# Allegro board rt1064_brkout_new_mem_layout.brd (continued)
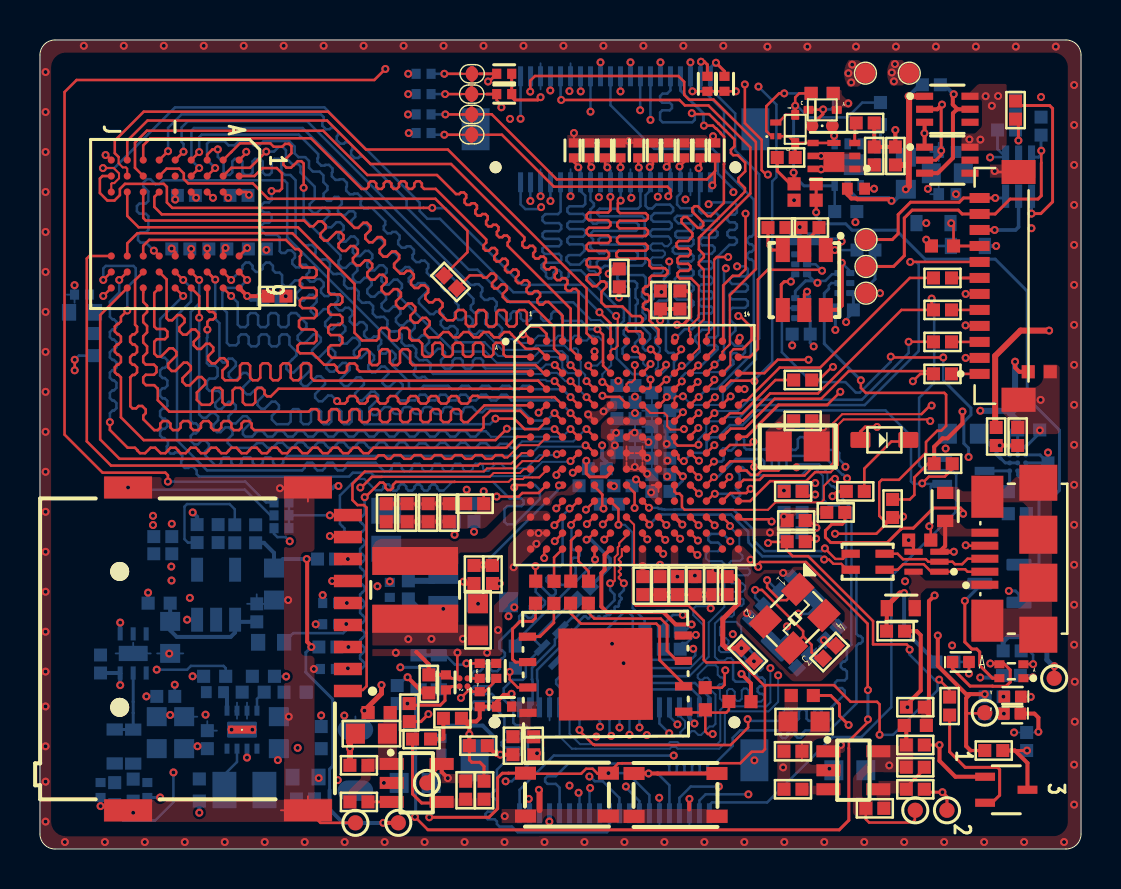
[diagram p0: board, top side]
## Routing (per net, layer and track width the routed paths; a pad name or vN(x,y) marks a point on that pad's centre or on a via; arc(x,y) is an arc through that point) (continued)
GPIO_B0_05: length 21.5
  TOP w0.127: v1(29.78,25.01) 30.15,24.63 U7.B8 ; v1(27.59,34.11) 27.48,34.22 R61.2
  BOTTOM w0.127: v1(27.59,34.11) 27.55,34.07 J5.25 27.55,32.46 27.72,32.29 27.72,32.16 27.55,32 27.55,32 27.55,31.42 27.68,31.29 27.86,31.29 27.92,31.34 29.84,31.34 29.95,31.23 29.95,31.05 29.83,30.93 27.7,30.93 27.57,30.8 27.57,30.62 27.68,30.51 27.68,30.38 27.54,30.25 27.54,30.09 27.71,29.92 27.87,29.92 27.87,29.92 27.99,29.8 28.22,29.8 28.35,29.92 29.79,29.92 29.92,29.8 29.92,29.62 29.79,29.49 27.99,29.49 27.86,29.36 27.86,29.18 27.98,29.07 28.14,29.07 28.24,29.17 28.29,29.17 28.3,29.17 28.62,29.17 28.63,29.17 28.89,29.17 29.01,29.04 29.01,28.78 28.9,28.67 28.9,28.52 29,28.41 29.75,28.41 29.88,28.28 29.88,28.08 29.8,28 29.8,27.57 29.91,27.47 29.91,27.3 29.82,27.21 29.82,25.89 30,25.7 30,25.54 29.78,25.32 v1(29.78,25.01)
GPIO_B0_06: length 21.8
  TOP w0.127: v1(28.39,34.1) 28.28,34.21 R62.2 ; U7.A8 30.15,25.79 30.04,25.9 29.44,25.9 29.33,26.01 29.33,26.17 29.44,26.28 30.04,26.28 30.15,26.39 30.15,26.55 30.04,26.66 29.62,26.66 29.15,27.14 28.3,27.14 28.1,27.34 28.1,27.87 28.35,28.13 28.35,28.29 28.24,28.4 28.08,28.4 27.84,28.16 27.66,28.16 27.36,28.46 27.36,28.62 27.47,28.73 27.92,28.73 28.04,28.85 28.04,29 27.92,29.12 27.47,29.12 27.36,29.23 27.36,29.43 27.47,29.54 28.36,29.54 28.47,29.65 28.47,29.81 28.36,29.92 27.47,29.92 27.36,30.04 27.36,30.21 27.47,30.32 28.43,30.32 28.54,30.43 28.54,30.59 28.43,30.7 27.47,30.7 27.36,30.81 27.36,30.97 27.47,31.08 28.43,31.08 28.54,31.19 28.54,31.35 28.43,31.46 27.47,31.46 27.36,31.57 27.36,31.73 27.47,31.84 28.43,31.84 28.54,31.95 v1(28.54,32.62)
  BOTTOM w0.127: v1(28.39,34.1) 28.55,33.94 J5.21 28.54,33.35 v1(28.54,32.62)
GPIO_B0_07: length 21.7
  TOP w0.127: v1(29.06,32.44) 29.04,32.44 28.92,32.31 28.92,31.92 29.03,31.81 30.31,31.81 30.42,31.7 30.42,31.54 30.31,31.43 29,31.43 28.89,31.32 28.89,31.16 29,31.05 30.31,31.05 30.42,30.94 30.42,30.78 30.31,30.67 29,30.67 28.88,30.55 28.88,30.39 28.99,30.28 30.3,30.28 30.41,30.16 30.41,30.03 30.31,29.93 28.96,29.93 28.84,29.81 28.84,29.65 28.96,29.54 30.38,29.54 30.5,29.41 30.5,29.19 30.63,29.06 31.27,29.06 31.41,28.93 31.41,28.8 31.28,28.68 30.61,28.68 30.5,28.57 30.5,28.25 30.39,28.14 30.29,28.14 30.18,28.02 30.18,27.87 30.29,27.75 30.39,27.75 30.5,27.64 30.5,27.49 30.39,27.37 30.29,27.37 30.18,27.26 30.18,27.1 30.29,26.99 30.39,26.99 30.5,26.88 30.5,26.44 30.64,26.3 30.64,26.29 30.95,25.98 U7.A9 ; R63.2 v1(29.05,34.1)
  BOTTOM w0.127: v1(29.05,34.1) J5.19 29.06,33.35 v1(29.06,32.44)
GPIO_B0_08: length 21.5
  TOP w0.127: U7.B9 30.95,24.63 30.58,25 v1(30.56,25) ; v1(29.97,34.1) 29.94,34.12 R64.2
  BOTTOM w0.127: v1(29.97,34.1) 29.97,34.05 30.05,33.96 J5.15 30.05,32.16 29.92,32.04 28.01,32.04 27.9,31.92 27.9,31.77 28.01,31.65 30.14,31.65 30.26,31.53 30.26,30.74 30.14,30.61 28.07,30.61 27.96,30.5 27.96,30.34 28.06,30.24 30.16,30.24 30.29,30.11 30.29,29.34 30.14,29.19 29.44,29.19 29.32,29.07 29.32,28.84 29.45,28.71 30.19,28.71 30.31,28.59 30.31,28.05 30.13,27.86 30.13,27.63 30.31,27.44 30.31,27.28 30.15,27.13 30.15,26.84 30.31,26.68 30.31,26.55 30.1,26.35 30.1,26.17 30.53,25.74 30.53,25.54 30.17,25.18 30.17,25.06 30.3,24.94 30.5,24.94 v1(30.56,25)
GPIO_B0_09: length 21.6
  TOP w0.127: v1(30.51,34.12) 30.55,34.12 30.67,34.25 R65.2 ; v1(31.33,24.23) 31.33,24.19 U7.C9
  BOTTOM w0.102: v1(31.33,24.23) 31.33,24 31.08,23.74 30.92,23.74 30.81,23.85 30.81,23.99 30.93,24.11 30.93,24.42 30.81,24.54 30.81,24.68 31.02,24.89 31.02,25.07 30.77,25.32 30.77,25.58 30.88,25.69 ; 30.93,29.94 31.17,29.94 31.28,29.84 31.28,29.73 31.14,29.6 30.65,29.6 30.56,29.51 30.56,29.31 30.66,29.21 31.08,29.21 31.18,29.11 31.18,28.9 31.08,28.8
  BOTTOM w0.11: 31.45,30.65 31.54,30.55 31.54,30.51 31.58,30.47 31.58,30.33 31.41,30.16 31.26,30.16 31.13,30.29 30.67,30.29 30.56,30.18 30.56,30.04 30.66,29.94 30.93,29.94 ; 31.08,28.8 30.74,28.8 30.58,28.64 ; 30.88,25.69 30.88,25.87
  BOTTOM w0.113: 30.58,28.47 30.58,28.64
  BOTTOM w0.114: 30.76,28.29 30.58,28.47
  BOTTOM w0.12: 30.88,25.87 30.56,26.18
  BOTTOM w0.127: 31.45,30.65 30.61,30.65 30.53,30.73 30.53,30.88 30.66,31 31.5,31 31.61,31.11 31.61,31.27 31.5,31.38 30.7,31.38 30.59,31.5 30.59,31.65 30.75,31.81 31.57,31.81 31.68,31.92 31.68,32.08 31.52,32.24 30.83,32.24 30.64,32.05 30.43,32.05 30.3,32.17 30.3,32.71 30.55,32.95 J5.13 30.55,34.08 v1(30.51,34.12) ; 30.76,28.29 30.76,28.11 30.62,27.97 30.62,27.79 30.71,27.7 30.71,27.54 30.58,27.41 30.58,26.99 30.73,26.84 30.73,26.7 30.56,26.53 30.56,26.18
GPIO_B0_10: length 34.4
  TOP w0.102: JMP1.1 22.42,35.73
  TOP w0.127: U7.D9 30.95,23.1 31.33,23.48 v1(31.35,23.48) ; R66.2 31.48,34.25 31.36,34.13 v1(31.36,34.13) ; 22.42,35.73 23.12,35.73 25.71,33.13 31.4,33.13 31.55,32.98 31.55,32.78 31.44,32.68 v1(31.44,32.66)
  SIG1 w0.127: v1(31.49,29.39) 31.43,29.46 31.2,29.46 29.63,31.03 29.63,31.33 29.91,31.61 30.09,31.61 30.25,31.44 30.41,31.44 30.42,31.45 30.58,31.45 30.69,31.34 30.69,31.18 30.68,31.17 30.68,31.01 30.79,30.9 30.95,30.9 30.96,30.91 31.12,30.91 31.23,30.8 31.23,30.64 31.22,30.63 31.22,30.48 31.33,30.36 31.49,30.36 31.5,30.37 31.66,30.37 31.77,30.26 31.77,30.1 31.76,30.09 31.76,29.94 31.87,29.82 32.03,29.82 32.04,29.83 32.2,29.83 32.31,29.72 32.31,29.57 32.3,29.56 32.3,29.4 32.54,29.16 32.72,29.16 33.06,29.49 33.06,29.67 31.09,31.64 31.09,32.05 31.44,32.4 v1(31.44,32.66)
  BOTTOM w0.127: 31.49,32.61 v1(31.44,32.66) 31.44,32.68 31.51,32.75 31.51,33.18 31.55,33.22 J5.9 31.55,34 31.42,34.13 v1(31.36,34.13) ; v1(31.49,29.39) 31.49,28.79 31.22,28.52 31.22,28.34 31.46,28.11 31.49,28.11 31.49,27.56 31.36,27.44 30.98,27.44 30.85,27.31 30.85,27.09 30.99,26.95 31.21,26.95 31.43,26.73 31.43,26.29 31.32,26.18 31.32,24.95 31.45,24.82 31.71,24.82 31.86,24.67 31.86,24.5 31.72,24.36 31.72,23.81 31.4,23.48 v1(31.35,23.48)
GPIO_B0_11: length 21.4
  TOP w0.127: R67.2 32.24,34.38 v1(32,34.14)
  BOTTOM w0.127: v1(32,34.14) 32.05,34.1 J5.7 32.05,32.8 31.88,32.63 31.88,32.24 32.06,32.06 32.59,32.06 32.7,31.95 32.7,31.79 32.59,31.68 31.88,31.68 31.77,31.57 31.77,31.47 31.95,31.3 32.59,31.3 32.7,31.19 32.7,31.03 32.59,30.92 31.88,30.92 31.8,30.83 31.8,30.66 31.88,30.58 32.59,30.58 32.7,30.47 32.7,30.27 32.59,30.16 31.78,30.16 31.67,30.05 31.67,29.89 31.78,29.78 32.59,29.78 32.7,29.66 32.7,29.5 32.59,29.39 32.06,29.39 31.94,29.27 31.94,29.27 31.94,29.12 32.05,29.01 32.59,29.01 32.7,28.9 32.7,28.74 32.59,28.63 31.88,28.63 31.77,28.52 31.77,28.36 31.88,28.25 32.59,28.25 32.7,28.14 32.7,27.98 32.59,27.87 31.88,27.87 31.77,27.76 31.77,27.6 31.88,27.49 32.59,27.49 32.7,27.38 32.7,27.22 32.59,27.11 31.9,27.11 31.78,26.98 31.78,26.75 31.9,26.62 32.43,26.62 32.76,26.3 32.76,26.13 32.63,26.01 32.26,26.01 31.84,25.59 v1(31.79,25.59)
GPIO_B0_12: length 21.6
  TOP w0.127: v1(32.96,34.06) 32.96,34.15 33.05,34.24 R68.2 ; U7.C10 v1(32.12,24.17)
  BOTTOM w0.127: v1(32.96,34.06) 32.96,34.04 32.99,34 32.99,33.41 J5.3 32.99,33.29 32.99,31.92 33.1,31.81 33.85,31.81 33.96,31.7 33.96,31.54 33.85,31.43 33.23,31.43 33.04,31.24 33.04,31.08 33.15,30.97 33.8,30.97 33.91,30.86 33.91,30.7 33.8,30.59 33.15,30.59 33.03,30.47 33.03,30.31 33.14,30.2 33.65,30.2 33.76,30.09 33.76,29.93 33.6,29.78 33.1,29.78 32.99,29.66 32.99,29.51 33.1,29.39 33.57,29.39 33.68,29.28 33.68,29.12 33.57,29.01 33.1,29.01 32.99,28.9 32.99,28.74 33.1,28.63 33.57,28.63 33.68,28.52 33.68,28.36 33.57,28.25 33.1,28.25 32.99,28.14 32.99,28.01 33.1,27.9 33.58,27.9 33.68,27.81 33.68,27.61 33.58,27.52 33.1,27.52 32.99,27.41 32.99,27.25 33.1,27.14 33.58,27.14 33.68,27.04 33.68,26.89 33.58,26.79 33.05,26.79 32.94,26.68 32.94,26.48 33.06,26.36 33.55,26.36 33.67,26.24 33.67,26.09 33.55,25.97 33.13,25.97 32.79,25.64 32.79,25.41 33.01,25.19 33.01,24.88 32.31,24.17 v1(32.12,24.17)
GPIO_B0_13: length 36.6
  TOP w0.127: 33.76,33.89 33.37,33.5 25.86,33.5 22.6,36.76 21.75,36.76 JMP1.3 ; 33.76,33.89 33.79,33.91 R69.2 ; 33.76,33.89 33.76,33.32 v1(33.65,33.2) ; v1(32.12,23.4) 32.12,23.4 31.99,23.27 31.99,23.27 31.75,23.03 U7.D10
  SIG1 w0.102: 33.88,33.16 33.69,33.16 v1(33.65,33.2)
  SIG1 w0.12: 33.88,33.16 33.98,33.06 33.98,32.21
  SIG1 w0.127: 33.98,32.21 33.98,32.15 33.7,31.87 33.08,31.87 32.95,31.74 32.95,31.5 33.16,31.28 33.32,31.28 33.52,31.48 33.67,31.48 33.79,31.37 33.79,31.21 33.59,31.01 33.59,30.86 33.71,30.74 34.08,30.74 35.2,29.62 35.2,29.45 34.9,29.15 v1(34.88,29.15)
  BOTTOM w0.102: 33.96,23.86 33.35,23.86 33.31,23.82 33.1,23.82 32.78,23.82 32.78,23.82 32.31,23.82
  BOTTOM w0.127: 32.31,23.82 32.12,23.62 v1(32.12,23.4) ; v1(33.65,33.2) 33.65,33.26 J5.1 ; v1(34.88,29.15) 35.3,29.15 35.42,29.02 35.42,28.76 35.31,28.65 34.63,28.65 34.52,28.54 34.52,28.38 34.63,28.27 35.31,28.27 35.42,28.15 35.42,28 35.31,27.88 34.63,27.88 34.52,27.77 34.52,27.62 34.63,27.5 35.31,27.5 35.42,27.39 35.42,27.2 35.42,27.2 35.29,27.07 34.65,27.07 34.53,26.96 34.53,26.48 34.8,26.21 34.8,25.93 34.53,25.67 34.53,25.42 34.78,25.17 35.15,25.17 35.28,25.04 35.28,24.84 35.13,24.69 34.97,24.69 34.85,24.81 34.69,24.81 34.58,24.7 34.58,24.54 34.7,24.42 34.7,24.26 34.3,23.86 33.96,23.86
GPIO_B0_14: length 22.7
  TOP w0.09: v1(32.17,22.65) 31.84,22.65 31.75,22.56 U7.E10
  TOP w0.15: v1(33.83,39.33) 34.25,38.91 R70.2
  BOTTOM w0.102: 34.17,22.85 34.17,22.81 34.17,22.8 34.17,22.41 33.97,22.21 32.61,22.21 v1(32.17,22.65)
  BOTTOM w0.127: 34.17,22.85 35.83,24.51 35.83,25.37 35.99,25.53 35.99,33.75 34.79,34.95 34.79,36.8 33.55,38.04 J5.2
  BOTTOM w0.15: J5.2 33.55,39.09 33.79,39.33 v1(33.83,39.33)
GPIO_B0_15: length 21.7
  TOP w0.09: v1(32.96,22.61) 32.93,22.61 32.8,22.47
  TOP w0.127: 32.8,22.47 32.55,22.23 U7.E11
  TOP w0.15: R71.2 33.4,39.24 33.25,39.39 v1(33.08,39.39)
  BOTTOM w0.127: 33.05,39.36 J5.4 33.05,38.09 34.23,36.9 34.23,33.98 35.72,32.49 35.72,30.75 35.61,30.64 35.51,30.64 35.4,30.53 35.4,30.37 35.51,30.26 35.61,30.26 35.72,30.14 35.72,29.99 35.61,29.88 35.51,29.88 35.4,29.76 35.4,29.61 35.51,29.49 35.61,29.49 35.72,29.38 35.72,25.63 35.57,25.48 35.57,24.72 33.88,23.02 33.37,23.02 v1(32.96,22.61)
  BOTTOM w0.15: v1(33.08,39.39) 33.05,39.36
GPIO_B1_00: length 22.2
  TOP w0.102: 32.56,25.73 32.55,25.72 ; 32.55,25.72 U7.A11 ; 32.55,25.72 32.55,25.86 32.48,25.93 32.48,26.11 32.97,26.59 32.97,28.17
  TOP w0.127: v1(33.23,36.19) 33.68,36.19 33.82,36.05 33.84,36.05 34.07,35.82 34.07,35.79 34.23,35.63 34.23,34.27 34.22,34.26 34.22,32.32 33.57,31.66 33.41,31.66 32.91,32.16 32.76,32.16 32.64,32.05 32.64,31.89 33.19,31.34 33.19,31.19 33.08,31.07 32.92,31.07 32.37,31.62 32.22,31.62 32.1,31.51 32.1,31.35 32.65,30.8 32.65,30.65 32.55,30.55 32.55,30.53 32.44,30.42 31.97,30.42 31.86,30.31 31.86,30.15 31.97,30.04 32.44,30.04 32.55,29.93 32.55,29.77 32.44,29.66 32.02,29.66 31.9,29.54 31.9,29.34 31.97,29.28 32.44,29.28 32.55,29.16 32.55,29.04 32.44,28.92 32.02,28.92 31.9,28.81 31.9,28.66 32.02,28.54 32.59,28.54 32.97,28.17
  BOTTOM w0.147: J5.8 32.05,37.95 32.25,37.75 32.25,37.74 32.78,37.21 32.79,37.21 33.2,36.8 33.2,36.22 v1(33.23,36.19)
GPIO_B1_01: length 21.6
  TOP w0.102: 33.22,28.98 33.22,26.49 32.97,26.24 32.97,25.05 32.55,24.63
  TOP w0.127: v1(32.62,36.81) 32.67,36.76 33.49,36.76 33.95,36.3 33.95,36.3 34.32,35.93 34.32,35.92 34.75,35.5 34.75,35.15 34.58,34.98 34.58,34.82 34.69,34.71 34.92,34.71 35.29,34.34 35.29,33.9 34.96,33.57 34.96,33.39 35.28,33.07 35.28,32.89 35.09,32.7 35.09,32.69 33.1,30.7 33.1,30.69 32.97,30.57 32.97,29.99 33.22,29.74 33.22,29.61 32.97,29.36 32.97,29.23 33.22,28.98 ; U7.B11 32.55,24.63
  BOTTOM w0.127: v1(32.62,36.81) 32.77,36.66 32.77,36.48 32.64,36.35 31.16,36.35 31.03,36.48 31.03,36.84 31.14,36.96 31.51,36.96 31.63,37.07 31.63,37.22 31.51,37.34 31.14,37.34 31.03,37.45 31.03,37.66 31.16,37.79 31.39,37.79 31.39,37.8 31.55,37.96 J5.10
GPIO_B1_02: length 21.6
  TOP w0.127: U7.C11 v1(32.94,24.19)
  SIG1 w0.127: v1(33.46,32.26) 33.46,32.62 33.21,32.87 33.21,33.63 33.47,33.89 33.47,34.1 32.99,34.58 32.59,34.58 30.7,36.47 v1(30.55,36.47)
  BOTTOM w0.127: v1(33.46,32.26) 33.55,32.35 34.74,32.35 34.87,32.22 34.87,31.85 34.76,31.73 34.51,31.73 34.4,31.62 34.4,31.46 34.51,31.35 34.76,31.35 34.87,31.24 34.87,31.08 34.76,30.97 34.51,30.97 34.4,30.86 34.4,30.7 34.51,30.59 34.76,30.59 34.87,30.48 34.87,30.35 34.75,30.22 34.49,30.22 33.93,29.66 33.93,25.7 33.82,25.59 33.4,25.59 33.29,25.48 33.29,25.32 33.4,25.21 33.82,25.21 33.91,25.12 33.91,24.99 33.11,24.19 v1(32.94,24.19) ; J5.14 v1(30.55,36.47)
GPIO_B1_03: length 21.6
  TOP w0.127: U7.D11 v1(32.91,23.37)
  SIG1 w0.102: 34.01,23.86 33.32,23.86
  SIG1 w0.127: v1(30.03,36.96) 30.23,37.16 30.78,37.16 34.04,33.89 34.04,33.53 34.26,33.3 34.26,31.06 35.58,29.74 35.58,25.48 35.57,25.48 35.57,25.42 35.06,24.91 34.81,24.91 34.45,25.27 34.29,25.27 34.18,25.16 34.18,25.01 34.54,24.64 34.54,24.39 34.01,23.86 ; 33.32,23.86 32.91,23.45 v1(32.91,23.37)
  BOTTOM w0.127: v1(30.03,36.96) 30.03,38.64 J5.16
GPIO_B1_04: length 21.8
  TOP w0.127: v1(33.77,22.6) 33.75,22.62 33.74,22.62 33.35,22.23 U7.E12
  SIG1 w0.127: v1(33.77,22.6) 34.05,22.88 34.05,22.88 36.19,25.02 36.19,30.15 34.88,31.45 34.88,31.93 35.16,32.21 35.16,33.1 34.98,33.29 34.77,33.29 34.31,33.75 34.31,34.03 30.55,37.79 29.16,37.79 v1(29.05,37.9)
  BOTTOM w0.127: J5.20 v1(29.05,37.9)
GPIO_B1_05: length 21.9
  TOP w0.127: U7.D12 33.75,23.4 v1(33.75,23.48)
  SIG1 w0.127: v1(33.75,23.48) 33.82,23.41 34.14,23.41 35.88,25.15 35.88,29.93 34.55,31.25 34.55,32.71 v1(34.7,32.86)
  BOTTOM w0.127: v1(34.7,32.86) 34.7,33.01 33.92,33.79 33.92,34.76 33.66,35.03 30.73,35.03 28.55,37.21 J5.22
GPIO_B1_06: length 22.7
  TOP w0.127: v1(33.76,24.23) 33.76,24.21 U7.C12
  SIG1 w0.127: v1(34.32,29.05) 34.23,29.14 34.23,29.24 31.84,31.63 31.84,33.52 31.64,33.72 31.17,33.72 31.17,33.73 30.97,33.94 30.97,34.87 29.56,36.28 29.4,36.28 28.9,35.77 28.74,35.77 28.63,35.89 28.63,36.04 29.13,36.55 29.13,36.71 29.02,36.82 28.86,36.82 28.36,36.31 28.2,36.31 28.09,36.42 28.09,36.58 28.57,37.07 28.57,37.23 28.47,37.34 28.29,37.34 27.84,36.89 v1(27.55,36.89)
  BOTTOM w0.127: v1(33.76,24.23) 34.23,24.71 34.23,28.96 v1(34.32,29.05) ; v1(27.55,36.89) J5.26
GPIO_B1_07: length 22.5
  TOP w0.102: 33.74,25 33.74,29.49
  TOP w0.127: U7.B12 33.74,25 ; 33.74,29.49 33.87,29.62 v1(34.44,29.62)
  SIG1 w0.127: v1(27.06,37.9) 27.06,37.77 26.34,37.05 26.34,36.84 26.47,36.71 26.65,36.71 27.64,37.7 27.73,37.7 27.93,37.9 28.17,37.9 28.37,37.7 28.67,37.7 31.84,34.54 32.16,34.54 32.39,34.31 32.39,33.74 32.53,33.6 32.53,33.45 32.33,33.26 32.33,33.08 32.92,32.49 32.92,32.22 32.79,32.09 32.44,32.09 32.31,31.97 32.31,31.74 33.68,30.38 33.89,30.38 34.05,30.21 34.05,30 v1(34.44,29.62)
  BOTTOM w0.127: v1(27.06,37.9) 27.05,37.91 J5.28
GPIO_B1_08: length 22.2
  TOP w0.102: U7.A12 33.35,25.71 33.47,25.84 33.47,30.72
  TOP w0.127: 33.47,30.72 35.55,32.79 35.55,35.1 33.45,37.2 32.78,37.2 32.78,37.2 32.27,37.2 32,37.47 v1(26.08,37.47)
  BOTTOM w0.127: v1(26.08,37.47) 26.05,37.51 J5.32
GPIO_B1_09: length 22.1
  TOP w0.127: U7.A13 34.15,25.43 34.19,25.46 34.19,28.2 34.67,28.68 34.98,28.68 35.31,29 v1(35.31,31.79)
  SIG1 w0.127: v1(25.54,37.95) 25.9,38.31 30.48,38.31 34.15,34.63 35.06,34.63 35.59,34.1 35.59,32.07 v1(35.31,31.79)
  BOTTOM w0.127: J5.34 25.55,37.96 v1(25.54,37.95)
GPIO_B1_10: length 26
  TOP w0.102: U7.B13 34.15,24.88 34.51,25.25 34.52,25.25 ; 34.52,27.71 34.52,25.25 ; 34.52,25.25 34.43,25.16
  TOP w0.127: v1(24.53,37.89) 24.53,38.44 24.77,38.67 31.95,38.67 32.24,38.38 32.24,37.73 32.48,37.49 33.71,37.49 35.82,35.37 35.82,29.01 34.52,27.71
  BOTTOM w0.127: J5.38 24.55,37.91 v1(24.53,37.89)
GPIO_B1_11: length 21.6
  TOP w0.102: U7.C13 34.55,24.21 34.55,24.85 34.71,25.01
  TOP w0.127: 34.71,25.01 35.16,25.01 35.61,25.45 35.61,26.09 35.03,26.66 v1(34.94,26.66)
  SIG1 w0.127: v1(34.94,26.66) 33.34,26.66 24.56,35.44 24.56,35.59 24.56,35.75 24.41,35.9 24.18,35.9 24.05,36.03 v1(24.05,36.53)
  BOTTOM w0.127: v1(24.05,36.53) J5.40
GPIO_B1_14: length 41
  TOP w0.127: 35.71,23.81 U7.C14 34.95,23.81 36.25,23.81 36.92,24.48 v1(38.46,24.48)
  SIG1 w0.127: v1(33.97,3.13) 33.97,3.4 34.11,3.54 34.27,3.54 34.4,3.41 34.56,3.41 34.67,3.52 34.67,3.68 34.54,3.81 34.54,3.97 34.65,4.08 34.81,4.08 34.94,3.95 35.1,3.95 35.21,4.06 35.21,4.22 35.08,4.35 35.08,4.51 35.74,5.17 35.89,5.17 35.96,5.1 36.12,5.1 36.23,5.21 36.23,5.37 36.16,5.43 36.16,5.59 36.79,6.22 38.73,6.22 42.52,10.01 42.52,21.78 42.11,22.18 38.59,22.18 38.46,22.31 38.46,22.51 38.35,22.62 37.89,22.62 37.78,22.73 37.78,22.89 37.89,23 38.35,23 38.46,23.11 38.46,23.27 38.35,23.38 37.86,23.38 37.75,23.49 37.75,23.65 37.86,23.76 38.35,23.76 38.46,23.87 v1(38.46,24.48)
  BOTTOM w0.127: J6.34 32,2.56 32.57,3.13 v1(33.97,3.13)
GPIO_B1_15: length 8.9
  TOP w0.127: U7.B14 35.52,24.61 35.93,25.01 35.93,28.49 36.41,28.98 39.09,28.98 v1(39.14,28.93)
  BOTTOM w0.127: v1(39.14,28.93) 38.81,29.25 U23.2
GPIO_SD_B1_01: length 40.2
  TOP w0.127: U7.M5 27.72,16.61 v1(27.37,16.26)
  SIG1 w0.127: v1(26.95,2.81) 27.15,2.62 29.51,2.62 30.06,3.16 30.06,3.37 29.93,3.5 29.59,3.5 29.4,3.68 29.4,3.9 29.56,4.05 29.93,4.05 30.04,4.16 30.04,4.38 29.91,4.51 29.43,4.51 29.3,4.63 29.3,4.94 29.19,5.06 29.03,5.06 28.92,4.94 28.92,4.62 28.81,4.51 28.65,4.51 28.54,4.62 28.54,4.79 28.38,4.94 28.29,4.94 28.16,4.82 28.16,4.62 28.05,4.51 27.89,4.51 27.78,4.62 27.78,4.82 27.65,4.94 27.52,4.94 27.4,4.82 27.4,4.62 27.29,4.51 27.13,4.51 27.02,4.62 27.02,4.94 26.9,5.06 26.75,5.06 26.64,4.94 26.64,4.76 26.51,4.63 26.4,4.63 26.27,4.76 26.27,5.81 27.94,7.48 27.94,7.69 28.1,7.84 28.31,7.84 28.44,7.97 28.44,8.15 28.31,8.28 28.07,8.28 27.94,8.4 27.94,8.58 28.05,8.7 28.82,8.7 28.93,8.81 28.93,8.96 28.82,9.08 28.05,9.08 27.94,9.19 27.94,9.35 28.05,9.46 28.76,9.46 28.87,9.56 28.87,9.74 28.77,9.83 28.16,9.83 28.15,9.84 28.05,9.84 27.91,9.98 27.91,10.73 28.02,10.84 29.09,10.84 29.2,10.95 29.2,11.11 29.09,11.22 28.02,11.22 27.91,11.33 27.91,11.49 28.02,11.6 29.09,11.6 29.2,11.71 29.2,11.87 29.09,11.98 28.02,11.98 27.91,12.09 27.91,12.25 28.02,12.36 29.09,12.36 29.2,12.47 29.2,12.63 29.09,12.74 28.02,12.74 27.91,12.85 27.91,13.65 28.04,13.77 28.83,13.77 28.94,13.89 28.94,14.04 28.83,14.16 28.28,14.16 28.17,14.27 28.17,14.42 28.28,14.54 28.83,14.54 28.94,14.65 28.94,14.81 28.83,14.92 28.01,14.92 27.79,15.14 27.79,15.83 v1(27.37,16.26)
  BOTTOM w0.127: v1(26.95,2.81) 27,2.77 J6.14
GPIO_SD_B1_02: length 40.2
  TOP w0.15: U7.M3 v1(25.74,16.2)
  SIG1 w0.127: v1(27.53,3.05) 27.5,3.02 27.32,3.02 26.78,3.56 26.67,3.56 26.66,3.56 26.11,3.56 26,3.45 26,2.9 25.89,2.79 25.73,2.79 25.62,2.9 25.62,3.45 25.51,3.56 24.51,3.56 24.38,3.69 24.38,4.27 24.27,4.38 23.55,4.38 23.44,4.49 23.44,4.65 23.55,4.76 24.27,4.76 24.38,4.87 24.38,5.03 24.27,5.14 23.55,5.14 23.44,5.25 23.44,5.41 23.55,5.52 24.27,5.52 24.38,5.63 24.38,5.79 24.27,5.9 23.55,5.9 23.44,6.01 23.44,6.17 23.55,6.28 24.27,6.28 24.38,6.39 24.38,6.63 24.26,6.76 23.12,6.76 22.92,6.96 22.92,7.14 23.08,7.3 24.27,7.3 24.38,7.41 24.38,7.62 24.49,7.74 24.85,7.74 24.96,7.85 24.96,8.03 24.83,8.15 22.72,8.15 22.57,8.3 22.57,8.67 22.69,8.8 22.92,8.8 23.25,8.47 24.1,8.47 24.38,8.75 24.38,9.33 24.27,9.44 23.33,9.44 23.22,9.55 23.22,9.71 23.33,9.82 24.27,9.82 24.38,9.93 24.38,10.09 24.27,10.2 23.33,10.2 23.22,10.31 23.22,10.47 23.33,10.58 24.27,10.58 24.38,10.69 24.38,10.82 24.27,10.93 23.95,10.93 23.84,11.04 23.84,11.2 23.95,11.31 24.27,11.31 24.38,11.42 24.38,12.57 24.27,12.69 23.53,12.69 23.42,12.8 23.42,12.95 23.53,13.07 24.27,13.07 24.38,13.18 24.38,14.67 24.27,14.78 24.19,14.78 24.08,14.89 24.08,15.05 24.19,15.16 24.27,15.16 24.38,15.27 24.38,15.96 24.76,16.33 24.76,16.61 24.87,16.72 25.03,16.72 25.14,16.61 25.14,16.33 25.25,16.22 25.72,16.22 v1(25.74,16.2)
  BOTTOM w0.127: J6.16 27.5,2.85 27.51,2.86 27.51,3.03 v1(27.53,3.05)
GPIO_SD_B1_03: length 40.2
  TOP w0.127: U7.M4 26.93,16.61 26.6,16.27 26.6,16.23 v1(26.58,16.21)
  BOTTOM w0.127: J6.20 28.5,0.97 28.37,0.84 23.9,0.84 23.62,1.12 22.99,1.12 22.87,1.25 22.87,1.38 22.75,1.49 22.4,1.49 22.29,1.6 22.29,1.76 22.4,1.87 22.75,1.87 22.87,1.98 22.87,2.41 22.75,2.52 22.73,2.52 22.62,2.63 22.62,2.79 22.73,2.9 22.75,2.9 22.87,3.02 22.87,3.97 23.59,4.69 23.97,4.69 24.08,4.8 24.08,4.96 23.97,5.07 23.22,5.07 23.1,5.18 23.1,5.34 23.22,5.45 23.97,5.45 24.08,5.56 24.08,5.72 23.97,5.83 23.37,5.83 23.24,5.96 23.24,6.58 22.83,6.99 21.72,6.99 21.61,7.11 21.61,7.26 21.72,7.37 22.59,7.37 22.71,7.5 22.71,7.66 22.62,7.76 21.74,7.76 21.63,7.87 21.63,8.03 21.74,8.14 22.57,8.14 22.57,8.15 22.67,8.25 22.67,8.43 22.58,8.52 21.74,8.52 21.63,8.63 21.63,8.79 21.74,8.9 22.02,8.9 22.14,9.02 22.14,9.28 22.25,9.39 22.41,9.39 22.52,9.28 22.52,9.02 22.64,8.9 22.89,8.9 23,9.01 23,9.43 23.11,9.54 23.15,9.54 23.26,9.65 23.26,9.81 23.15,9.92 23.11,9.92 23,10.03 23,10.4 23.98,11.38 23.98,11.63 24.09,11.74 24.25,11.74 24.43,11.56 24.59,11.56 24.7,11.67 24.7,11.83 24.52,12.01 24.52,12.17 24.63,12.28 24.79,12.28 24.97,12.1 25.13,12.1 25.27,12.24 25.27,12.4 24.81,12.86 24.81,13.02 24.92,13.13 25.08,13.13 25.54,12.67 25.7,12.67 25.81,12.78 25.81,12.94 25.35,13.4 25.35,13.56 25.46,13.67 25.62,13.67 26.08,13.21 26.24,13.21 26.81,13.78 26.81,14.11 26.6,14.32 26.6,14.46 26.71,14.57 26.9,14.57 27.01,14.69 27.01,14.84 26.9,14.96 26.71,14.96 26.6,15.07 26.6,16.19 v1(26.58,16.21)
GPIO_SD_B1_04: length 40.8
  TOP w0.127: U7.P2 25.23,14.89 v1(25.23,14.56)
  SIG1 w0.127: v1(25.23,14.56) 25.19,14.51 25.19,14.21 25.31,14.08 26.14,14.08 26.26,13.96 26.26,13.73 26.15,13.62 24.95,13.62 24.84,13.51 24.84,13.35 24.9,13.29 24.9,13.28 24.95,13.23 26.2,13.23 26.31,13.12 26.31,12.96 26.2,12.85 24.95,12.85 24.84,12.74 24.84,12.58 24.95,12.47 26.2,12.47 26.31,12.36 26.31,12.2 26.2,12.09 24.95,12.09 24.84,11.97 24.84,11.82 24.95,11.71 26.2,11.71 26.31,11.59 26.31,11.44 26.2,11.32 24.95,11.32 24.84,11.21 24.84,11.05 24.95,10.94 26.2,10.94 26.31,10.83 26.31,10.67 26.2,10.56 24.95,10.56 24.84,10.45 24.84,10.29 24.95,10.18 26.2,10.18 26.31,10.07 26.31,9.91 26.2,9.8 24.95,9.8 24.84,9.69 24.84,9.53 24.95,9.42 26.2,9.42 26.31,9.31 26.31,9.15 26.2,9.04 24.95,9.04 24.84,8.93 24.84,8.8 24.95,8.69 26.17,8.69 26.29,8.56 26.29,7.52 26.15,7.37 24.98,7.37 24.75,7.15 24.75,6.87 24.88,6.74 25.33,6.74 25.44,6.63 25.44,6.48 25.33,6.36 24.88,6.36 24.77,6.25 24.77,6.09 24.88,5.98 25.33,5.98 25.44,5.87 25.44,5.71 25.33,5.6 24.88,5.6 24.77,5.49 24.77,5.28 24.86,5.19 25.27,5.19 25.39,5.06 25.39,4.53 25.27,4.4 25.04,4.4 25.04,4.4 24.87,4.4 24.75,4.28 24.75,4 24.87,3.87 27.03,3.87 27.27,3.63 v1(27.49,3.63)
  BOTTOM w0.127: 28.99,1.79 28.99,2.56 28.16,3.39 27.77,3.39 27.53,3.63 v1(27.49,3.63)
  BOTTOM w0.15: J6.22 28.99,1.79
GPIO_SD_B1_05: length 40.2
  TOP w0.127: v1(25.76,15.4) 26.15,15.79 U7.N3
  SIG1 w0.127: v1(25.76,15.4) 25.76,15.64 25.94,15.82 26.76,15.82 26.9,15.68 26.9,15.26 26.69,15.05 25.96,15.05 25.7,14.79 25.7,14.57 25.86,14.42 26.42,14.42 26.66,14.66 27.26,14.66 27.39,14.53 27.39,14.35 27.26,14.23 26.72,14.23 26.59,14.1 26.59,13.92 26.71,13.81 27.41,13.81 27.52,13.7 27.52,13.54 27.41,13.43 26.71,13.43 26.59,13.32 26.59,13.16 26.71,13.05 27.41,13.05 27.52,12.94 27.52,12.78 27.41,12.67 26.71,12.67 26.59,12.55 26.59,12.4 26.71,12.29 27.41,12.29 27.52,12.17 27.52,12.02 27.41,11.9 26.71,11.9 26.59,11.79 26.59,11.63 26.71,11.52 27.41,11.52 27.52,11.41 27.52,11.25 27.41,11.14 26.71,11.14 26.59,11.03 26.59,10.87 26.71,10.76 27.41,10.76 27.52,10.65 27.52,10.49 27.41,10.38 26.71,10.38 26.59,10.27 26.59,10.11 26.71,10 27.41,10 27.52,9.89 27.52,9.73 27.41,9.62 26.71,9.62 26.59,9.51 26.59,9.35 26.71,9.24 27.41,9.24 27.52,9.13 27.52,8.97 27.41,8.86 26.71,8.86 26.59,8.74 26.59,8.59 26.71,8.48 27.41,8.48 27.52,8.36 27.52,8.21 27.41,8.09 26.76,8.09 26.65,7.98 26.65,7.74 26.76,7.63 26.98,7.63 27.1,7.52 27.1,7.36 26.84,7.11 26.56,6.83 26.4,6.83 26.26,6.97 26.11,6.97 25.99,6.86 25.99,6.7 26.17,6.53 26.17,6.37 26.08,6.28 25.81,6.28 25.7,6.17 25.7,6.01 25.81,5.9 25.91,5.9 26.02,5.79 26.02,5.63 25.91,5.52 25.81,5.52 25.7,5.41 25.7,5.25 25.81,5.14 25.91,5.14 26.02,5.03 26.02,4.87 25.91,4.76 25.81,4.76 25.7,4.64 25.7,4.49 25.81,4.38 25.91,4.38 26.06,4.23 28.93,4.23 29.09,4.07 29.09,3.82 28.68,3.41 28.09,3.41 27.98,3.29 27.98,3.07 28.11,2.94 28.65,2.94 28.83,3.13 v1(29.32,3.13)
  BOTTOM w0.127: v1(29.32,3.13) 29.32,3.07 30,2.39 J6.26
I2C1_SCL: length 33.7
  TOP w0.127: v1(32.96,18.6) 32.96,18.62 32.57,19.01 U7.J11
  SIG1 w0.102: v1(32.96,18.6) 33.36,19.01 34.78,19.01 35.49,19.72 35.99,19.72 36.48,19.72 37.95,18.24
  SIG1 w0.127: v1(36.94,8.69) 36.94,8.71 36.96,8.73 36.96,8.86 39.38,11.29 39.38,13.37 37.95,14.81 37.95,18.24
  BOTTOM w0.102: 32.96,18.54 v1(32.96,18.6) ; v1(36.94,8.69) 36.94,7.37 36.46,6.89 34.4,6.89 34.27,6.76 34.27,5.29 34,5.02 31.91,5.02 31.82,5.1 31.6,5.1 31.52,5.02 26.81,5.02 26.8,5.02 26.62,5.02 26,5.63 J6.9
I2C1_SDA: length 32.8
  TOP w0.127: U7.K11 v1(32.97,17.78)
  SIG1 w0.102: 37.69,18.11 36.32,19.49 35.9,19.49 35.9,19.49 35.58,19.49 35.34,19.25 35.34,18.93 34.87,18.46 34.87,18.46 34.65,18.24 34.65,18.24 34.62,18.2 33.37,18.2
  SIG1 w0.127: v1(32.97,17.78) 33.25,18.06 33.25,18.08 33.37,18.2 ; 37.69,18.11 37.69,14.64 39.08,13.25 39.08,11.4 36.74,9.05 v1(36.55,9.05)
  BOTTOM w0.102: v1(36.55,9.05) 36.55,7.34 36.35,7.14 34.22,7.14 34.04,6.96 34.04,5.4 33.89,5.25 32,5.25 31.9,5.35 31.53,5.35 31.42,5.25 27.02,5.25 26.5,5.77 J6.11
